# Altium PCB LOAPAY_V5.7.8.PcbDoc
Units mm, origin at the board's own origin, x right, y up, seen from the top; angles counter-clockwise.
Board outline 78.36 x 30.48 mm, 2 copper layers (Top Layer, Bottom Layer); 94 components, 56 nets, 284 pads, 214 vias.
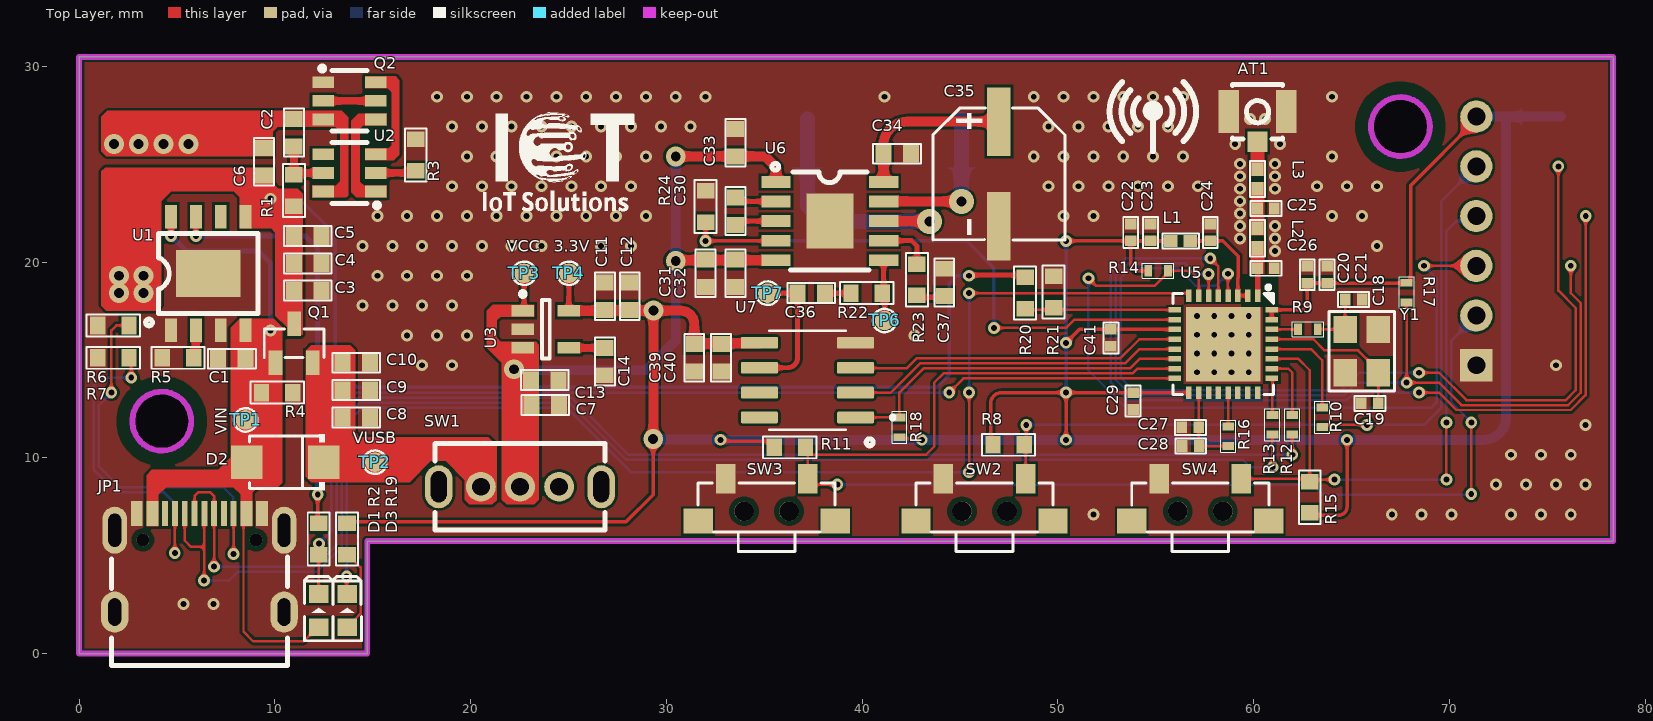
[diagram p0: Top Layer view]
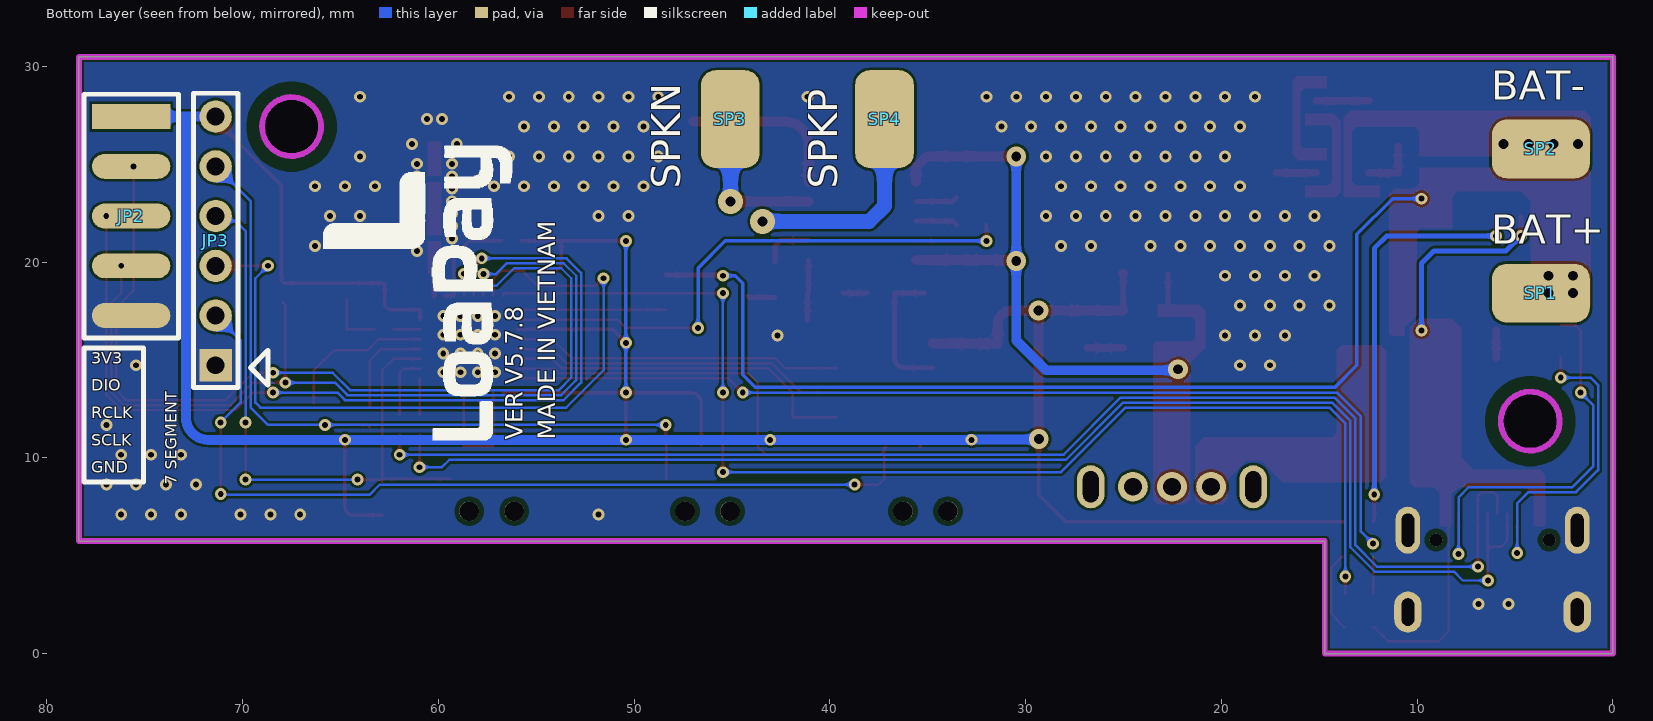
[diagram p1: Bottom Layer view, seen from below]
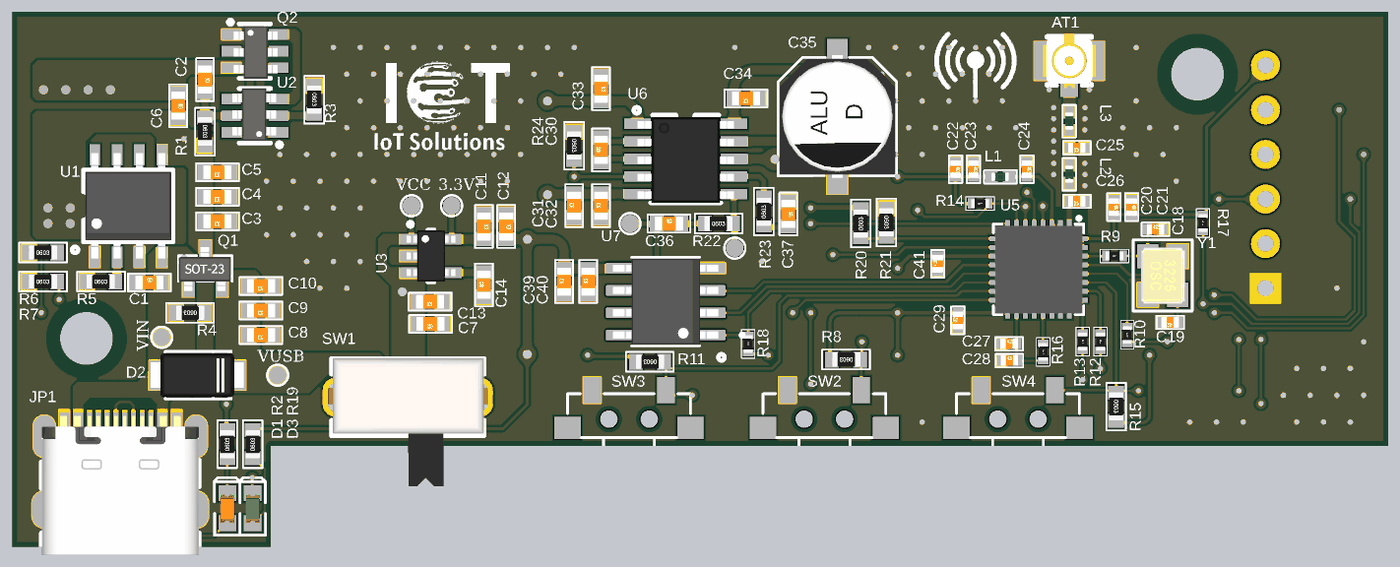
[diagram p2: 3D render of the assembled board from above, using the file's embedded part models]

## Layer stack, top to bottom
Top Solder: solder mask 0.0102, Solder Resist, Dk 3.5
Top Layer: signal copper 0.0356
Dielectric 1: dielectric 0.32, FR-4, Dk 4.8
Bottom Layer: signal copper 0.0356
Bottom Solder: solder mask 0.0102, Solder Resist, Dk 3.5

## Board outline
0,0 14.725,0 14.725,5.75 63.55,5.75 78.359,5.75 78.359,30.48 0,30.48
cut-out: 4.225,10.37 cw(c4.225,11.875) 2.72,11.875 cw(c4.225,11.875) 4.225,13.38 cw(c4.225,11.875) 5.73,11.875 cw(c4.225,11.875)
cut-out: 65.995,26.925 ccw(c67.5,26.925) 67.5,25.42 ccw(c67.5,26.925) 69.005,26.925 ccw(c67.5,26.925) 67.5,28.43 ccw(c67.5,26.925)
cut-out: 4.225,10.37 cw(c4.225,11.875) 2.72,11.875 cw(c4.225,11.875) 4.225,13.38 cw(c4.225,11.875) 5.73,11.875 cw(c4.225,11.875)

## Design rules (kind name [scope] priority, off if disabled: settings)
BoardOutlineClearance [All] p1: gap=0.2 ignorepadtopadclearanceinfootprint=FALSE
Clearance [All] p1: gap=0.127 ignorepadtopadclearanceinfootprint=FALSE except(0.25: Arc-Hole Track-Hole SMDPad-Hole THPad-Hole Via-Hole Fill-Hole Poly-Hole Region-Hole Text-Hole)
ComponentClearance [All] p1: gap=0.127 collisioncheckmode=3 verticalgap=0.127 showdistances=TRUE
DiffPairsRouting [All] p1: maxlimit=0.254 minlimit=0.127 mostfreqgap=0.127 toplayer_minwidth=0.127 toplayer_maxwidth=25.4 toplayer_prefwidth=0.127 bottomlayer_minwidth=0.127 bottomlayer_maxwidth=25.4 bottomlayer_prefwidth=0.127 maxuncoupledlength=12.7
Height [All] p1: minheight=0 maxheight=1816.048 prefheight=12.7
HoleSize [All] p1: absolutevalues=TRUE maxlimit=6.3 minlimit=0.3 maxpercent=80.000 minpercent=20.000
HoleToHoleClearance [All] p1: gap=0.25 allowstackedmicrovias=FALSE
MinimumAnnularRing [All] p1: minimumring=0.076
MinimumSolderMaskSliver [All] p1: minsoldermaskwidth=0
PlaneClearance [All] p1: clearance=0.127
PlaneConnect PlaneConnectPowerPads [InPadClass('PowerPads')] p1: planeconnectstyle=Direct reliefexpansion=0.508 reliefentries=4 reliefconductorwidth=0.254 reliefairgap=0.254
PlaneConnect [All] p2: pad.planeconnectstyle=Relief pad.reliefexpansion=0.3 pad.reliefentries=4 pad.reliefconductorwidth=0.127 pad.reliefairgap=0.127 via.planeconnectstyle=Direct via.reliefexpansion=0.3 via.reliefentries=4 via.reliefconductorwidth=0.127 via.reliefairgap=0.127
PolygonConnect PolygonConnectPowerPads [All vs (InPadClass('PowerPads'))] p1: connectstyle=Direct reliefconductorwidth=0.254 reliefentries=4 polygonreliefangle="90 Angle" airgapwidth=0.254
PolygonConnect [All] p2: connectstyle=Direct reliefconductorwidth=0.127 reliefentries=4 polygonreliefangle="90 Angle" airgapwidth=0.127
RoutingVias [All] p1: holewidth=0.3 width=0.6 viastyle="Through Hole" minholewidth=0.3 minwidth=0.6 maxholewidth=0.6 maxwidth=6.6
SilkToSilkClearance [All] p1: silktosilkclearance=0
SilkToSolderMaskClearance [IsPad] p1: minsilkscreentomaskgap=0 clearancetoexposedcopper=TRUE
SolderMaskExpansion [All] p1: expansion=0.075 istentingtop=FALSE
Width [All] p1: maxlimit=25.4 minlimit=0.127 preferedwidth=0.127 minimp=50.000000 maximp=50.000000 favimp=50.000000
20 further rules are at their usual default settings.

## Classes and differential pairs
component class "VOLTAGE SOURCE": C1 C2 C3 C4 C5 C6 C7 C8 C9 C10 C11 C12 C13 C14 D1 D2 JP1 Q1 Q2 R1 R2 R3 R4 R5 R6 R7 SP1 SP2 SW1 TP1 TP2 TP3 TP4 U1 U2 U3
component class ESP32C3: AT1 C18 C19 C20 C21 C22 C23 C24 C25 C26 C27 C28 C29 C41 D3 JP2 JP3 L1 L2 L3 R8 R9 R10 R11 R12 R13 R14 R15 R16 R17 R18 R19 R20 R21 SW2 SW3 SW4 U5 Y1
component class DAAMP: C30 C31 C32 C33 C34 C35 C36 C37 C39 C40 R22 R23 R24 SP3 SP4 TP6 TP7 U6 U7

## Components (designator, comment, footprint, x,y, rotation, side; value= is the part's Value field where it differs from the comment)
AT1 "BWU.FL-IPEX1" IPEX-SMD_BWIPX-1-001E 60.198,27.432 r90 top
C1 "100nF 10V" C0603 7.809,15.062 r0 top
C2 "100nF 10V" C0603 10.976,26.616 r270 top
C3 "100nF 10V" C0603 11.688,18.542 r180 top
C4 "10uF 10V" C0603 11.688,19.939 r180 top
C5 "22uF 10V" C0603 11.688,21.336 r180 top
C6 "10uF 10V" C0603 9.452,25.124 r270 top
C7 "10uF 10V" C0603 23.814,12.7 r180 top
C8 "22uF 10V" C0603 14.162,12.065 r180 top
C9 "100nF 10V" C0603 14.162,13.462 r180 top
C10 "10nF 50V" C0603 14.162,14.859 r180 top
C11 "100nF 10V" C0603 26.862,18.251 r270 top
C12 "10uF 10V" C0603 28.132,18.251 r270 top
C13 "100nF 10V" C0603 23.796,13.97 r180 top
C14 "22nF 50V" C0603 26.862,14.921 r90 top
C18 "9pF 50V" C0402_2 65.108,18.089 r0 top
C19 "9pF 50V" C0402_2 65.938,12.785 r180 top
C20 "1uF 10V" C0402_2 62.738,19.355 r270 top
C21 "10nF 50V" C0402_2 63.754,19.355 r270 top
C22 "10uF 10V" C0402_2 53.721,21.514 r270 top
C23 "100nF 16V" C0402_2 54.737,21.514 r270 top
C24 "1uF 10V" C0402_2 57.785,21.514 r270 top
C25 "1.3pF 50V" C0402_2 60.63,22.733 r180 top
C26 "1.5pF 50V" C0402_2 60.63,19.685 r180 top
C27 "1uF 10V" C0402_2 56.769,11.56 r0 top
C28 "10nF 50V" C0402_2 56.786,10.606 r0 top
C29 "1uF 10V" C0402_2 53.848,12.903 r90 top
C30 "4.7uF 16V" C0603 33.528,22.606 r90 top
C31 "22uF 10V" C0603 32.004,19.431 r90 top
C32 "1uF 10V" C0603 33.528,19.431 r90 top
C33 "1uF 10V" C0603 33.528,26.1 r270 top
C34 "10uF 10V" C0603 41.788,25.537 r180 top
C35 "220uF 10V" CAP-ALU-SMD-D-NEW 46.99,27.178 r270 top
C36 "3.3nF 50V" C0603 37.4,18.415 r0 top
C37 "3.3nF 50V" C0603 44.196,18.961 r270 top
C39 "22uF 10V" C0603 31.427,15.113 r90 top
C40 "100nF 10V" C0603 32.799,15.113 r90 top
C41 "100nF 16V" C0402_2 52.705,16.129 r90 top
D1 "0603 RED" LED0603_RED 12.243,2.303 r90 top
D2 "S3MF" D_SMAF_L3.5-W2.6-LS4.7-RD 10.533,9.779 r180 top
D3 "0603 GREEN" LED0603_GREEN 13.691,2.303 r90 top
JP1 "TYPE C 16P" "TYPE C 16P" 10.475,6.305 r180 top
JP2 "PZ254V-11-05P" "JP5_M_SMD - 2" 75.692,27.432 r270 bottom
JP3 "PZ254V-11-06P" JP6_M_2 71.374,14.732 r90 bottom
L1 "0402 2nH" "L0402 - 2" 56.769,21.082 r180 top
L2 "0402 2.6nH" "L0402 - 2" 60.198,20.726 r90 top
L3 "0402 1.7nH" "L0402 - 2" 60.198,23.749 r90 top
Q1 "AO3401" TF_SOT_23_3 10.988,16.865 r0 top
Q2 "FS8205A" TF_SOT23-6 12.466,29.187 r0 top
R1 "1K 1%" RES_SMD_0603 10.976,23.665 r270 top
R2 "1K 1%" RES_SMD_0603 12.243,5.842 r90 top
R3 "1K 1%" RES_SMD_0603 17.198,25.481 r270 top
R4 "10K 1%" RES_SMD_0603 10.135,13.335 r180 top
R5 "2K 1%" RES_SMD_0603 5.042,15.113 r0 top
R6 "5.1K 1%" RES_SMD_0603 1.74,16.764 r0 top
R7 "5.1K 1%" RES_SMD_0603 1.74,15.113 r0 top
R8 "10K 1%" RES_SMD_0603 47.498,10.668 r180 top
R9 "0R 1%" RES_SMD_0402 62.775,16.57 r0 top
R10 "499R 1%" RES_SMD_0402 63.5,12.073 r270 top
R11 "10K 1%" RES_SMD_0603 36.322,10.541 r180 top
R12 "0R 1%" RES_SMD_0402 61.976,11.692 r90 top
R13 "0R 1%" RES_SMD_0402 60.96,11.692 r90 top
R14 "10K 1%" RES_SMD_0402 55.118,19.558 r180 top
R15 "10K 1%" RES_SMD_0603 62.865,8.001 r270 top
R16 "10K 1%" RES_SMD_0402 58.71,11.105 r270 top
R17 "10K 1%" RES_SMD_0402 67.812,18.445 r90 top
R18 "10K 1%" RES_SMD_0402 41.91,11.557 r270 top
R19 "1K 1%" RES_SMD_0603 13.691,5.842 r90 top
R20 "20K 1%" RES_SMD_0603 48.326,18.413 r90 top
R21 "4.7K 1%" RES_SMD_0603 49.784,18.487 r270 top
R22 "20K 1%" RES_SMD_0603 40.221,18.415 r0 top
R23 "20K 1%" RES_SMD_0603 42.799,19.088 r90 top
R24 "10K 1%" RES_SMD_0603 32.004,22.86 r270 top
SP1 "SP" "SOLDERING PAD BIG 5" 3.683,18.415 r180 bottom
SP2 "SP" "SOLDERING PAD BIG 5" 3.683,25.781 r180 bottom
SP3 "SP" "SOLDERING PAD BIG 5" 45.085,27.305 r90 bottom
SP4 "SP" "SOLDERING PAD BIG 5" 37.211,27.305 r90 bottom
SW1 "SK12D07VG4" SK12D07VG4 18.375,8.525 r0 top
SW2 "BX-TS-26-3635TT" BX-TS-26-3635TT 49.75,6.77 r180 top
SW3 "BX-TS-26-3635TT" BX-TS-26-3635TT 38.625,6.77 r180 top
SW4 "BX-TS-26-3635TT" BX-TS-26-3635TT 60.775,6.77 r180 top
TP1 "Test Point" TEST_POINT 8.509,11.938 r90 top
TP2 "Test Point" TEST_POINT 15.113,9.779 r90 top
TP3 "Test Point" TEST_POINT 22.733,19.431 r90 top
TP4 "Test Point" TEST_POINT 25.019,19.431 r90 top
TP6 "Test Point" TEST_POINT 41.148,17.018 r90 top
TP7 "Test Point" TEST_POINT 35.179,18.415 r90 top
U1 "TP4056" IC_ESOP-8 6.604,19.418 r0 top
U2 "DW01A" IC_SOT23-6 15.167,23.604 r180 top
U3 "RT9193-33GB" ICP_SOT23_5 23.846,16.571 r0 top
U5 "ESP32-C3FH4" QFN-32_L5.0-W5.0 58.448,15.782 r270 top
U6 "HAA9811" IC_ESOP-10 38.354,22.255 r270 top
U7 "TM8211" IC_SOIC_8 37.211,13.97 r180 top
Y1 "40MHz" SMD3225-4P 65.532,15.445 r270 top

## Footprints (in the part's own frame and the unit in brackets; to place one, negate y for a bottom-side part, rotate by r counter-clockwise, add the part's x,y. Pads: shape width x height; smd on the part's side, far side on the other; paste and mask are expansions set on the pad)
BX-TS-26-3635TT [mm]
  rect 1x1.5 smd paste+0 mask+0.051: 1(1.4,-2.159) 2(5.6,-2.159)
  rect 1.5x1.27 smd paste+0 mask+0.051: 3(0,0) 4(7,0)
  round 1 hole 1 unplated paste-2539.97: ""(2.35,-0.505) ""(4.65,-0.505)
  silkscreen extent 0,-1.95 7,1.55, body extent -0.43,-2.23 7.37,1.47, height 3.5
C0402_2 [mm]
  rect 0.54x0.6 smd: 1(-0.432,0) 2(0.432,0)
  silkscreen extent -0.79,-0.38 0.79,0.38, body extent -0.5,-0.3 0.5,0.3, height 0.2
C0603 [mm]
  rect 0.813x0.9 smd paste+0 mask+0.051: 1(-0.7,0) 2(0.7,0)
  silkscreen extent -1.22,-0.51 1.22,0.51, body extent -0.8,-0.4 0.8,0.4, height 0.3
CAP-ALU-SMD-D-NEW [mm]
  rect 3.5x1.2 smd paste+0 mask+0.051: 1(0,0) 2(5.34,0)
  silkscreen extent -0.71,-3.38 6.05,3.38, body extent -0.83,-3.3 6.17,3.3, height 5.4
D_SMAF_L3.5-W2.6-LS4.7-RD [mm]
  rect 1.6x1.7 smd paste+0 mask+0.051: 1(-1.96,0.001) 2(1.96,0.001)
  silkscreen extent -2.01,-1.43 1.83,1.42, body extent -2.65,-1.27 2.65,1.27, height 1
IC_ESOP-8 [mm]
  rect 0.6x1.2 smd paste+0 mask+0.051: 1(-1.905,-2.908) 2(-0.635,-2.908) 3(0.635,-2.908) 4(1.905,-2.908) 5(1.905,2.908) 6(0.635,2.908) 7(-0.635,2.908) 8(-1.905,2.908)
  rect 3.3x2.4 smd paste+0 mask+0.051: 9(0,0)
  silkscreen extent -3.2,-2.67 2.55,2.05, body extent -2.45,-3 2.45,3, height 1.75
IC_ESOP-10 [mm]
  rect 0.6x1.5 smd paste+0 mask+0.051: 1(-1.843,-2.75) 2(-0.843,-2.75) 3(0.157,-2.75) 4(1.157,-2.75) 5(2.157,-2.75) 6(2.157,2.75) 7(1.157,2.75) 8(0.157,2.75) 9(-0.843,2.75) 10(-1.843,2.75)
  rect 2.8x2.4 smd paste+0 mask+0.051: 11(0.157,0)
  silkscreen extent -2.78,-2.96 2.66,2, body extent -2.23,-2.74 2.67,2.74, height 1.69
IC_SOIC_8 [mm]
  rrect25% 1.9x0.6 smd: 1(-2.455,1.905) 2(-2.455,0.635) 3(-2.455,-0.635) 4(-2.455,-1.905) 5(2.455,-1.905) 6(2.455,-0.635) 7(2.455,0.635) 8(2.455,1.905)
  silkscreen extent -4.45,-2.52 1.95,2.52, body extent -3,-2.45 3,2.45, height 1.75
IC_SOT23-6 [mm]
  rect 1.1x0.6 smd paste+0 mask+0.051: 1(0,0) 2(0,-0.95) 3(0,-1.9) 4(2.7,-1.9) 5(2.7,-0.95) 6(2.7,0)
  silkscreen extent -0.17,-2.5 2.25,0.83, body extent 0.15,-2.52 2.65,0.48, height 1.1
ICP_SOT23_5 [mm]
  rect 1.15x0.6 smd: 1(-1.175,0.95) 2(-1.175,0) 3(-1.175,-0.95) 4(1.175,-0.95) 5(1.175,0.95)
  silkscreen extent -1.3,-1.5 0.2,1.92, body extent -1.4,-1.45 1.4,1.45, height 1.45
IPEX-SMD_BWIPX-1-001E [mm]
  rect 1.05x1 smd paste+0 mask+0.051: 1(-1.274,0)
  rect 2.2x1.05 smd paste+0 mask+0.051: 2(0.251,1.475) 2(0.251,-1.475)
  silkscreen extent -1.15,-1.27 1.65,1.27, body extent -1.3,-1.5 1.8,1.5, height 1.25
"JP5_M_SMD - 2" [mm]
  rect 1.27x4 smd paste+0: 1(0,0)
  oval 1.27x4 smd paste+0: 2(2.54,0) 3(5.08,0) 4(7.62,0) 5(10.16,0)
  silkscreen extent -1.14,-2.41 11.3,2.41
JP6_M_2 [mil]
  rect 65x65 hole 36: 1(0,0)
  round 65 hole 36: 2(100,0) 3(200,0) 4(300,0) 5(400,0) 6(500,0)
  silkscreen extent -45,-45 547,45
"L0402 - 2" [mm]
  rect 0.7x0.6 smd paste+0 mask+0.051: 1(1,0) 2(0,0)
  silkscreen extent -0.43,-0.38 1.42,0.38, body extent 0,-0.25 1.02,0.25, height 0.52
LED0603_GREEN [mm]
  rect 0.9x1 smd paste+0 mask+0.051: 1(-0.955,0) 2(0.745,0)
  silkscreen extent -1.65,-0.73 1.65,0.73, body extent -0.93,-0.4 0.67,0.4, height 0.53
LED0603_RED [mm]
  rect 0.9x1 smd paste+0 mask+0.051: 1(-0.955,0) 2(0.745,0)
  silkscreen extent -1.65,-0.73 1.65,0.73, body extent -0.93,-0.4 0.67,0.4, height 0.53
QFN-32_L5.0-W5.0 [mm]
  rect 0.65x0.28 smd paste-100 mask+0.051: 1(-2.506,1.75) 2(-2.506,1.25) 3(-2.506,0.75) 4(-2.506,0.25) 5(-2.506,-0.25) 6(-2.506,-0.75) 7(-2.506,-1.25) 8(-2.506,-1.75) 17(2.449,-1.75) 18(2.449,-1.25) 19(2.449,-0.75) 20(2.449,-0.25) 21(2.449,0.25) 22(2.449,0.75) 23(2.449,1.25) 24(2.449,1.75)
  rect 0.28x0.65 smd paste-100 mask+0.051: 9(-1.778,-2.478) 10(-1.278,-2.478) 11(-0.778,-2.478) 12(-0.278,-2.478) 13(0.222,-2.478) 14(0.722,-2.478) 15(1.222,-2.478) 16(1.722,-2.478) 25(1.722,2.478) 26(1.222,2.478) 27(0.722,2.478) 28(0.222,2.478) 29(-0.278,2.478) 30(-0.778,2.478) 31(-1.278,2.478) 32(-1.778,2.478)
  rect 3.8x3.8 smd paste-100 mask+0.051: 33(-0.028,0)
  silkscreen extent -3.03,-2.58 2.55,2.58, body extent -2.51,-2.51 2.51,2.51, height 0.77
RES_SMD_0402 [mm]
  rect 0.4x0.6 smd: 1(-0.5,0) 2(0.5,0)
  silkscreen extent -0.81,-0.38 0.81,0.38, body extent -0.5,-0.25 0.5,0.25, height 0.35
RES_SMD_0603 [mil]
  rect 31x35.43 smd: 1(-31,0) 2(32,0)
  silkscreen extent -53,-22 54,22, body extent -31,-16 31,16, height 17
SK12D07VG4 [mil]
  round 60 hole 36 paste-99999 mask+1.97: 1(84.65,0) 2(163.39,0) 3(242.13,0)
  oval 55.12x86.61 hole 31.5 slot 62.99 at 90 deg paste-99999 mask+1.97: 4(0,0) 4(326.77,0)
  silkscreen extent -8,-87 335,87, body extent -16,-200 345,87, height 138
SMD3225-4P [mm]
  rect 1.4x1.2 smd paste+0 mask+0.051: 1(-1.113,-0.863) 2(1.087,-0.863) 3(1.087,0.837) 4(-1.113,0.837)
  silkscreen extent -2.04,-1.69 2.02,1.67, body extent -1.6,-1.25 1.6,1.25, height 0.68
"SOLDERING PAD BIG 5" [mm]
  rrect50% 5x3 smd paste+0: 1(0,0)
TEST_POINT [mm]
  round 1 smd paste+0: 1(0,0)
  silkscreen extent -0.6,-0.6 0.6,0.6
TF_SOT23-6 [mm]
  rect 1.1x0.6 smd paste+0 mask+0.051: 1(0,0) 2(0,-0.95) 3(0,-1.9) 4(2.7,-1.9) 5(2.7,-0.95) 6(2.7,0)
  silkscreen extent -0.17,-2.5 2.25,0.83, body extent 0.15,-2.52 2.65,0.48, height 1.1
TF_SOT_23_3 [mm]
  rect 0.7x1.25 smd paste+0 mask+0.051: 1(-0.95,-2.006) 2(0.95,-2.006) 3(0,-0.006)
  silkscreen extent -1.53,-1.73 1.53,-0.28, body extent -1.52,-2.29 1.47,0.21, height 1.1
"TYPE C 16P" [mm]
  rect 0.6x1.3 smd paste-100 mask+0.051: A1(1.125,-0.855) A1(7.525,-0.855) A4(1.925,-0.855) A4(6.725,-0.855)
  rect 0.3x1.3 smd paste-100 mask+0.051: A5(5.575,-0.855) A6(4.575,-0.855) A7(4.075,-0.855) A8(3.075,-0.855) B5(2.575,-0.855) B6(3.575,-0.855) B7(5.075,-0.855) B8(6.075,-0.855)
  oval 1.4x2.1 hole 0.65 slot 1.4 at 90 deg paste-2539.97 mask+0.05: S1(0,4.18) S1(8.65,4.18)
  oval 1.25x2.4 hole 0.65 slot 1.7 at 90 deg paste-2539.97 mask+0.05: S1(0,0) S1(8.65,0)
  round 0.65 hole 0.65 unplated paste-2539.97: ""(1.435,0.5) ""(7.215,0.5)
  silkscreen extent -0.18,1.36 8.83,6.9, body extent -0.16,-1.14 8.79,6.76, height 3.26

## Part data
AT1: library part "BAT WIRELESS BWU.FL-IPEX1", "1 Inner pin IPEX Board-End 1.25mm 6GHz 50Ω 2mm SMD Coaxial Connectors (RF) ROHS", LCSC Part=C5137195, Manufacturer="BAT WIRELESS", Package=SMD, Link=https://www.lcsc.com/product-detail/Coaxial-Connectors-RF_BAT-WIRELESS-BWU-FL-IPEX1_C5137195.html?s_z=n_IPEX, Manufacture Part Number=BWU.FL-IPEX1, Packaging="Cut Tape"
C1 C2 C3 C9 C11 C13 C40: library part C0603_MLCC_100nF_10V, "10V 100nF X7R ±10% 0603 Multilayer Ceramic Capacitors MLCC - SMD/SMT ROHS", LCSC Part=C519438, Manufacture Part Number=CC0603KRX7R6BB104, Manufacturer=YAGEO, Package=0603, Tolerance=±10%, Link=https://www.lcsc.com/product-detail/Multilayer-Ceramic-Capacitors-MLCC-SMD-SMT_YAGEO-CC0603KRX7R6BB104_C519438.html?s_z=n_0603%20100nF%2010V, Packaging="Cut Tape (CT)"
C4 C6 C7 C12 C34: library part C0603_MLCC_10uF_10V, "10V 10uF X5R ±10% 0603 Multilayer Ceramic Capacitors MLCC - SMD/SMT ROHS", LCSC Part=C19702, Manufacture Part Number=CL10A106KP8NNNC, Manufacturer="Samsung Electro-Mechanics", Package=0603, Tolerance=±10%, Link=https://www.lcsc.com/product-detail/Multilayer-Ceramic-Capacitors-MLCC-SMD-SMT_Samsung-Electro-Mechanics-CL10A106KP8NNNC_C19702.html?s_z=h_0603%2010uF%2010V, Packaging="Cut Tape (CT)"
C5 C8 C31 C39: library part C0603_MLCC_22uF_10V, "10V 22uF X5R ±20% 0603 Multilayer Ceramic Capacitors MLCC - SMD/SMT ROHS", LCSC Part=C86295, Manufacture Part Number=CL10A226MP8NUNE, Manufacturer="Samsung Electro-Mechanics", Package=0603, Tolerance=±20%, Link=https://www.lcsc.com/product-detail/Multilayer-Ceramic-Capacitors-MLCC-SMD-SMT_Samsung-Electro-Mechanics-CL10A226MP8NUNE_C86295.html?s_z=n_0603%2022uF%2010V, Packaging="Cut Tape (CT)"
C10: library part C0603_MLCC_10nF_50V, "50V 10nF X7R ±10% 0603 Multilayer Ceramic Capacitors MLCC - SMD/SMT ROHS", LCSC Part=C100042, Manufacture Part Number=CC0603KRX7R9BB103, Manufacturer=YAGEO, Package=0603, Tolerance=±10%, Link=https://www.lcsc.com/product-detail/Multilayer-Ceramic-Capacitors-MLCC-SMD-SMT_YAGEO-CC0603KRX7R9BB103_C100042.html?s_z=n_10nF%2050V%200603, Packaging="Cut Tape (CT)"
C14: library part C0603_MLCC_22nF_50V, "50V 22nF X7R ±10% 0603 Multilayer Ceramic Capacitors MLCC - SMD/SMT ROHS", LCSC Part=C77571, Manufacture Part Number=0603B223K500NT, Manufacturer="FH (Guangdong Fenghua Advanced Tech)", Package=0603, Tolerance=±10%, Link=https://www.lcsc.com/product-detail/Multilayer-Ceramic-Capacitors-MLCC-SMD-SMT_FH-Guangdong-Fenghua-Advanced-Tech-0603B223K500NT_C77571.html?s_z=n_0603%2022nF, Packaging="Cut Tape (CT)"
C18 C19: library part C0402_MLCC_9pF_50V, "50V 9pF C0G 0402 Multilayer Ceramic Capacitors MLCC - SMD/SMT ROHS", LCSC Part=C1580, Manufacture Part Number=0402CG9R0C500NT, Manufacturer="FH (Guangdong Fenghua Advanced Tech)", Package=0402, Tolerance=±0.1pF, Link=https://www.lcsc.com/product-detail/Multilayer-Ceramic-Capacitors-MLCC-SMD-SMT_FH-Guangdong-Fenghua-Advanced-Tech-0402CG9R0C500NT_C1580.html?s_z=n_0402%209pF, Packaging="Cut Tape (CT)"
C20 C24 C27 C29: library part C0402_MLCC_1uF_10V, "10V 1uF X5R ±10% 0402 Multilayer Ceramic Capacitors MLCC - SMD/SMT ROHS", LCSC Part=C14445, Manufacture Part Number=CL05A105KP5NNNC, Manufacturer="Samsung Electro-Mechanics", Package=0402, Tolerance=±10%, Link=https://www.lcsc.com/product-detail/Multilayer-Ceramic-Capacitors-MLCC-SMD-SMT_Samsung-Electro-Mechanics-CL05A105KP5NNNC_C14445.html?s_z=n_0402%201uF, Packaging="Cut Tape (CT)"
C21 C28: library part C0402_MLCC_10nF_50V, "50V 10nF X7R ±5% 0402 Multilayer Ceramic Capacitors MLCC - SMD/SMT ROHS", LCSC Part=C2894324, Manufacture Part Number=0402B103J500NT, Manufacturer="FH (Guangdong Fenghua Advanced Tech)", Package=0402, Tolerance=±5%, Link=https://www.lcsc.com/product-detail/Multilayer-Ceramic-Capacitors-MLCC-SMD-SMT_FH-Guangdong-Fenghua-Advanced-Tech-0402B103J500NT_C2894324.html?s_z=n_10nF%2050V%200402, Packaging="Cut Tape (CT)"
C22: library part C0402_MLCC_10uF_10V, "10V 10uF X5R ±20% 0402 Multilayer Ceramic Capacitors MLCC - SMD/SMT ROHS", LCSC Part=C315248, Manufacture Part Number=CL05A106MP5NUNC, Manufacturer="Samsung Electro-Mechanics", Package=0402, Tolerance=±20%, Link=https://www.lcsc.com/product-detail/Multilayer-Ceramic-Capacitors-MLCC-SMD-SMT_Samsung-Electro-Mechanics-CL05A106MP5NUNC_C315248.html?s_z=n_10uF%2050V%200402, Packaging="Cut Tape (CT)"
C23 C41: library part C0402_MLCC_100nF_16V, "16V 100nF X7R ±10% 0402 Multilayer Ceramic Capacitors MLCC - SMD/SMT ROHS", LCSC Part=C60474, Manufacture Part Number=CC0402KRX7R7BB104, Manufacturer=YAGEO, Package=0402, Tolerance=±10%, Link=https://www.lcsc.com/product-detail/Multilayer-Ceramic-Capacitors-MLCC-SMD-SMT_YAGEO-CC0402KRX7R7BB104_C60474.html?s_z=n_0402%20100nF, Packaging="Cut Tape (CT)"
C25: library part C0402_MLCC_1.3pF_50V, "50V 1.3pF C0G 0402 Multilayer Ceramic Capacitors MLCC - SMD/SMT ROHS", LCSC Part=C88880, Manufacture Part Number=GJM1555C1H1R3WB01D, Manufacturer="Murata Electronics", Package=0402, Tolerance=±0.1pF, Link=https://lcsc.com/product-detail/Multilayer-Ceramic-Capacitors-MLCC-SMD-SMT_Murata-Electronics-GJM1555C1H1R3WB01D_C88880.html?s_z=n_0402%25201.3pF, Packaging="Cut Tape (CT)"
C26: library part C0402_MLCC_1.5pF_50V, "50V 1.5pF NP0 0402 Multilayer Ceramic Capacitors MLCC - SMD/SMT ROHS", LCSC Part=C338137, Manufacture Part Number=RF15N1R5B500CT, Manufacturer="Walsin Tech Corp", Package=0402, Tolerance=±0.1pF, Link=https://www.lcsc.com/product-detail/Multilayer-Ceramic-Capacitors-MLCC-SMD-SMT_Walsin-Tech-Corp-RF15N1R5B500CT_C338137.html?s_z=n_0402%201.5pF, Packaging="Cut Tape (CT)"
C30: library part C0603_MLCC_4.7uF_16V, "16V 4.7uF X5R ±10% 0603 Multilayer Ceramic Capacitors MLCC - SMD/SMT ROHS", LCSC Part=C19666, Manufacture Part Number=CL10A475KO8NNNC, Manufacturer="Samsung Electro-Mechanics", Package=0603, Tolerance=±10%, Link=https://www.lcsc.com/product-detail/Multilayer-Ceramic-Capacitors-MLCC-SMD-SMT_Samsung-Electro-Mechanics-CL10A475KO8NNNC_C19666.html?s_z=n_0603%204.7uF%2016V, Packaging="Cut Tape (CT)"
C32 C33: library part C0603_MLCC_1uF_10V, "10V 1uF X5R ±10% 0603 Multilayer Ceramic Capacitors MLCC - SMD/SMT ROHS", LCSC Part=C26413, Manufacture Part Number=CL10A105KP8NNNC, Manufacturer="Samsung Electro-Mechanics", Package=0603, Tolerance=±10%, Link=https://www.lcsc.com/product-detail/Multilayer-Ceramic-Capacitors-MLCC-SMD-SMT_Samsung-Electro-Mechanics-CL10A105KP8NNNC_C26413.html?s_z=n_0603%201uF%2010V, Packaging="Cut Tape (CT)"